# KiCad board motordriver.kicad_pcb (continued)
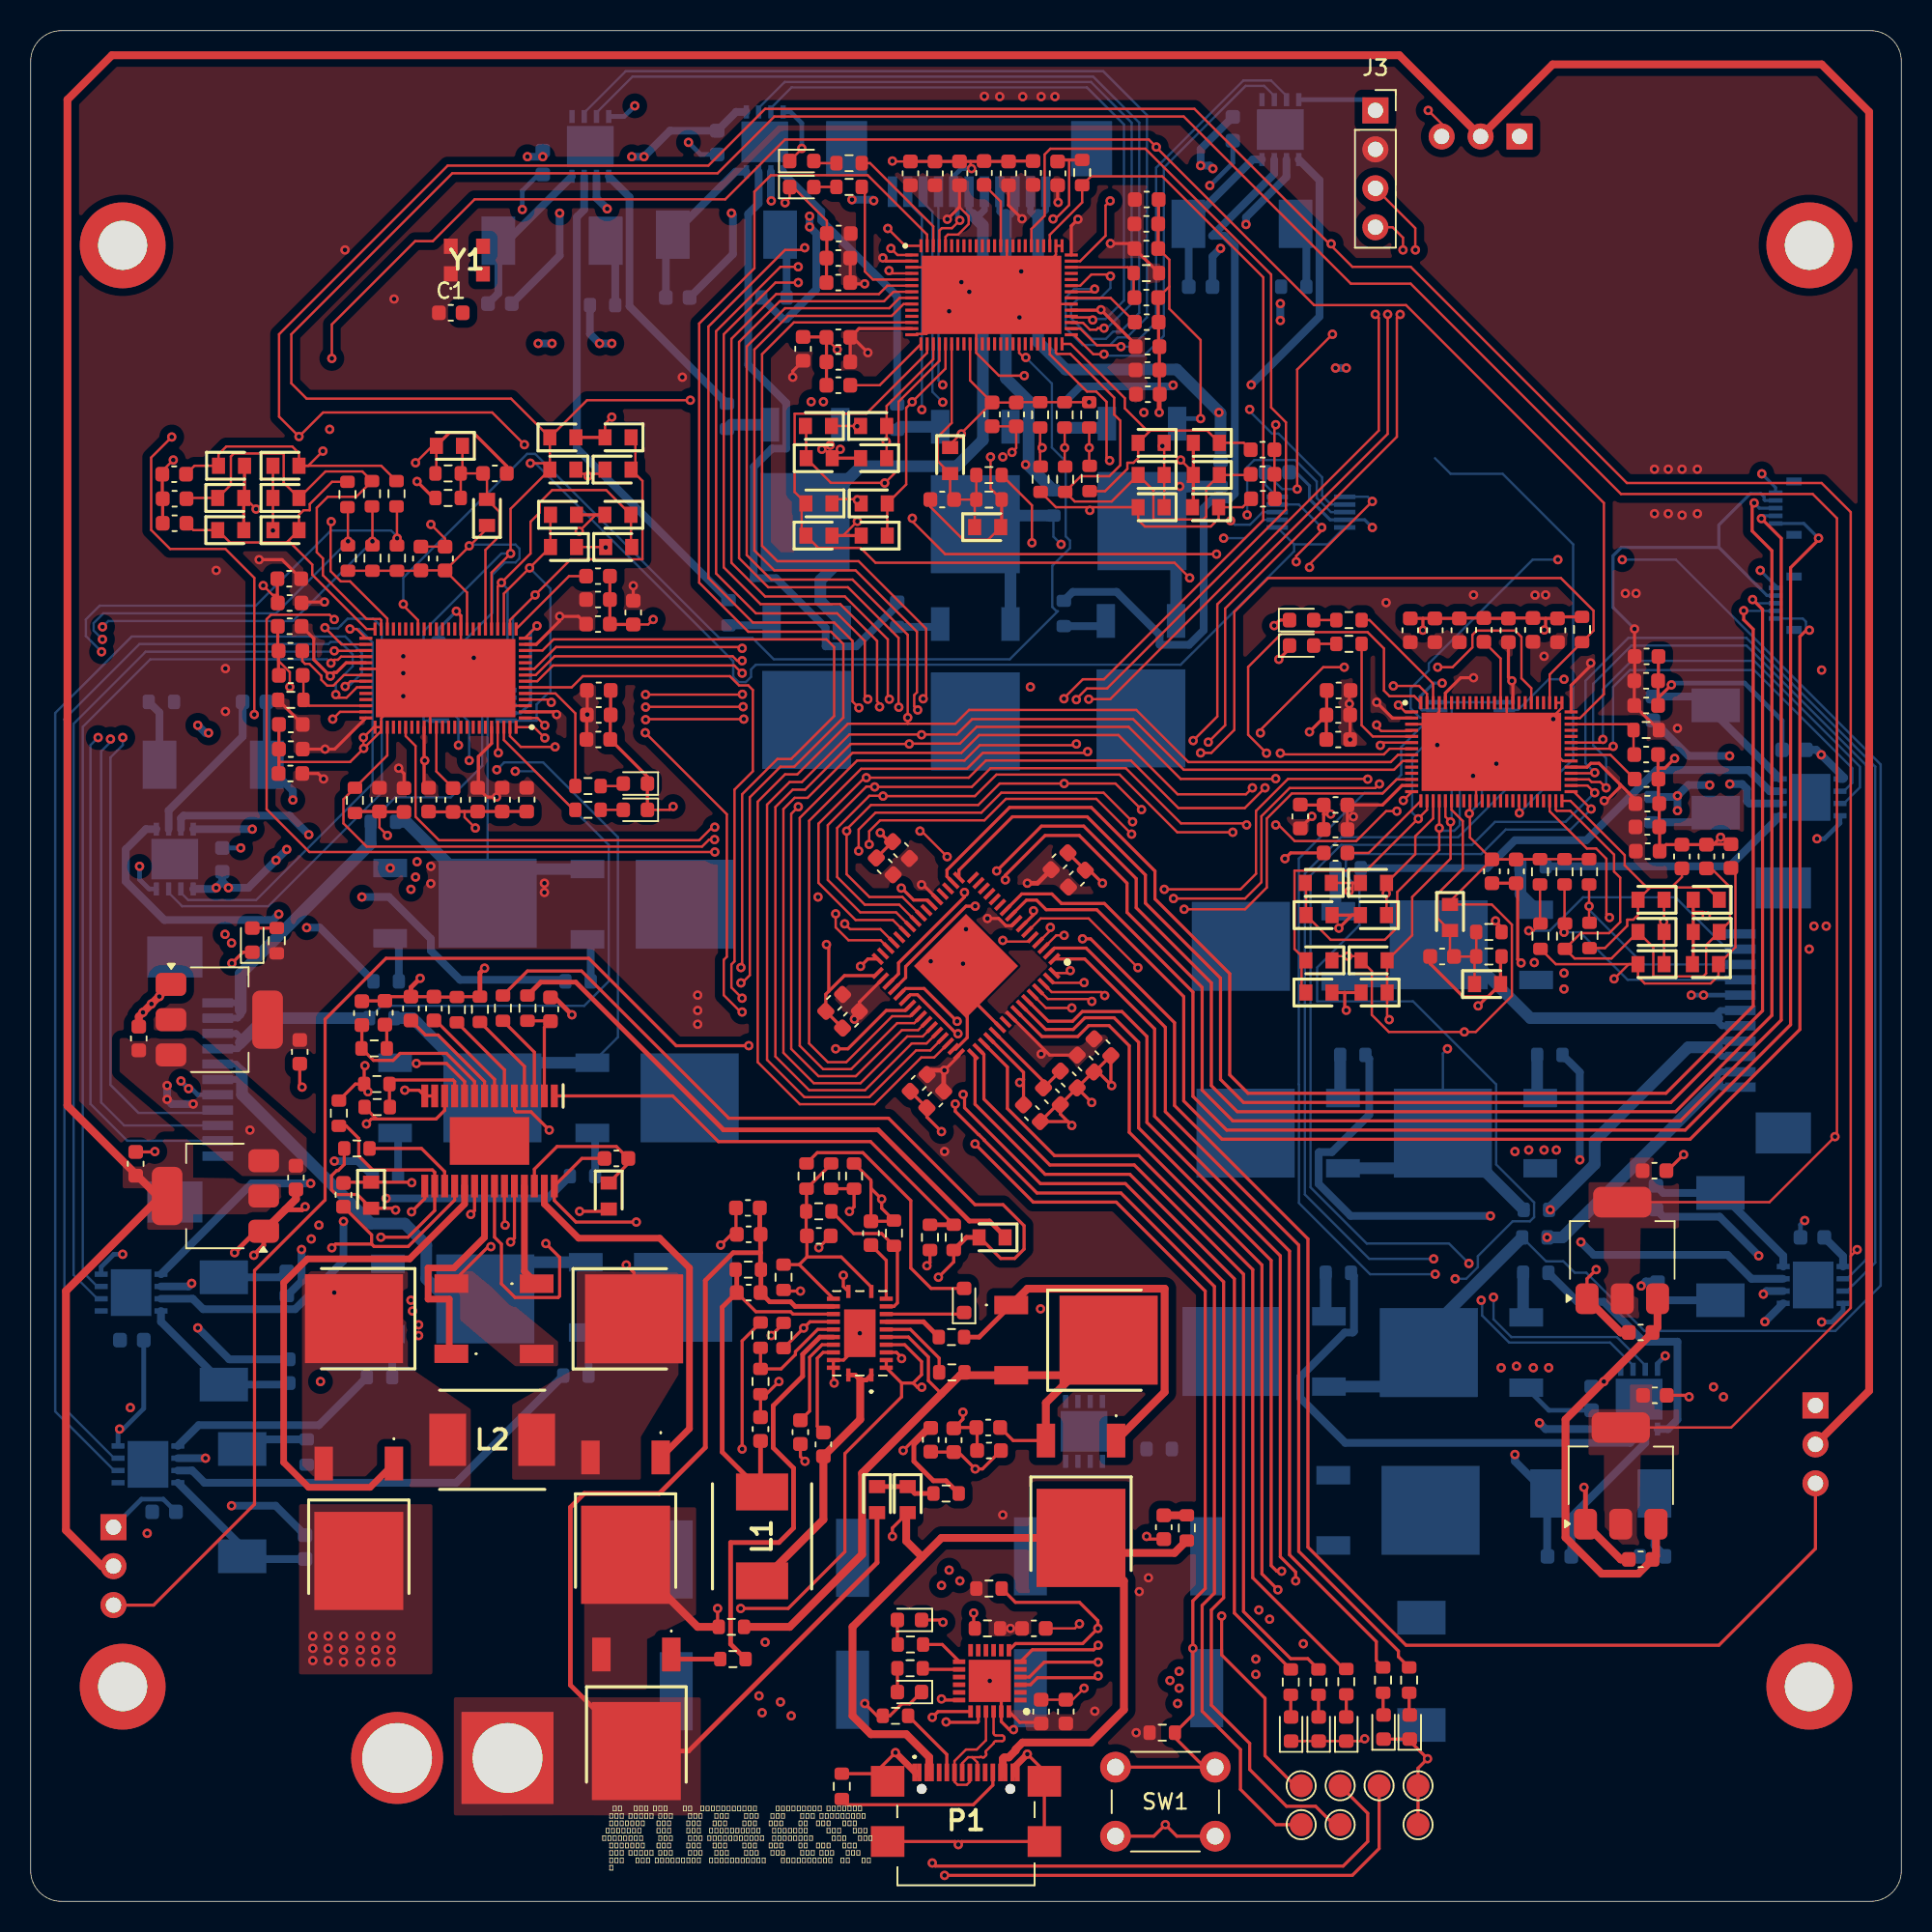
[diagram p0: board, top side]
## Routing (per net, layer and track width the routed paths; a pad name or vN(x,y) marks a point on that pad's centre or on a via; arc(x,y) is an arc through that point) (continued)
TMC_DB_MISO: length 134.4
  Top w0.152: U7.4 33.77,78.38 v1(33.95,78.19) ; v1(50.06,105.57) 48.57,105.57 45.2,102.2 45.2,87 47.6,84.6 52.8,84.6 55.2,82.2 55.2,78.27 55.36,78.1 v1(55.36,77.9) ; U5.4 56.16,106.17 v1(55.98,106.35) ; v1(87.78,76.72) 87.78,76.62 88.08,76.32 90.02,76.32 U8.4 ; v1(46.42,78.72) 46.4,78.7 v1(40.1,78.7) ; v1(78.4,69.72) 74.78,69.72 71.02,73.48 62.98,73.48 61.58,72.08 v1(55.59,72.08) 55.57,72.1 54.7,72.1 52.6,70 52.6,66.8 54.4,65 56.65,65 IC7.25
  In2.Cu w0.152: v1(50.06,105.57) 51.09,106.6 55.73,106.6 v1(55.98,106.35) ; v1(40.1,78.7) 39.59,78.19 33.96,78.19 v1(33.95,78.19) ; v1(78.4,69.72) 78.4,75.6 79.65,76.85 87.65,76.85 v1(87.78,76.72) ; v1(55.59,72.08) 55.63,72.12 55.63,73.48 55.3,73.8 55.3,77.84 v1(55.36,77.9) 55.36,79.54 54.7,80.2 47.9,80.2 v1(46.42,78.72)
TMC_DB_MOSI: length 136.4
  Top w0.152: v1(40.11,77.88) 40.12,77.9 46.45,77.9 v1(46.46,77.91) ; v1(56.1,107.8) 56.53,107.37 U5.1 ; U8.1 89.65,77.57 v1(89.2,78.02) ; v1(79.3,70.2) 79.2,70.3 75.02,70.3 71.42,73.9 62.6,73.9 61.38,72.68 v1(55.04,72.68) 55.03,72.7 54.5,72.7 51.99,70.19 51.99,66.61 54.1,64.5 56.44,64.5 IC7.26 ; v1(54.6,78.4) 54.4,78.6 54.4,82.2 52.6,84 47.3,84 44.7,86.6 44.7,102.4 48.9,106.6 v1(50.06,106.6) ; v1(81.2,70.2) 81.38,70.2 82.44,69.15 86.45,69.15 88.4,71.1 v1(89.1,71.1) ; v1(33.53,76.69) 33.05,77.17 U7.1
  In2.Cu w0.152: v1(33.53,76.69) 33.64,76.8 39.02,76.8 v1(40.11,77.88) ; v1(89.2,78.02) 88.8,77.62 88.8,71.4 v1(89.1,71.1) ; v1(50.06,106.6) 51.26,107.8 v1(56.1,107.8) ; v1(46.46,77.91) 47.92,79.37 53.63,79.37 v1(54.6,78.4) 54.6,73.86 54.74,73.86 55.08,73.52 55.08,72.72 v1(55.04,72.68) ; v1(79.3,70.2) v1(81.2,70.2)
TMC_DB_SCK: length 145.5
  Top w0.152: v1(40.11,77.06) 40.14,77.1 46.5,77.1 v1(46.51,77.1) ; v1(33.53,75.87) 32.83,76.58 U7.76 ; U5.76 57.03,107.97 v1(55.9,109.1) ; v1(80.5,72.62) 79.18,71.3 74.85,71.3 71.75,74.4 62.3,74.4 61.18,73.28 v1(54.5,73.28) 54.48,73.3 54.4,73.3 51.38,70.28 51.38,66.42 53.8,64 56.23,64 IC7.27 ; v1(80.6,74.88) 79.4,76.08 79.4,80.5 81.67,82.77 87.19,82.77 88.26,81.71 88.26,78.96 88.62,78.6 90.23,78.6 U8.76 ; v1(50.48,107.84) 50.34,107.7 49.2,107.7 44.2,102.7 44.2,86.3 47.1,83.4 52.4,83.4 53.6,82.2 53.6,78.25 v1(54.02,77.84)
  In2.Cu w0.152: v1(50.48,107.84) 51.74,109.1 v1(55.9,109.1) ; v1(54.5,73.28) 54,73.78 54,77.82 v1(54.02,77.84) 53.29,78.56 47.96,78.56 v1(46.51,77.1) ; v1(40.11,77.06) 39.04,76 33.66,76 v1(33.53,75.87) ; v1(80.6,74.88) 80.6,74.35 80.5,74.25 v1(80.5,72.62)
Net-(C11-Pad1): length 1.5
  Top w0.508: R13.1 C11.1
Net-(C32-Pad2): length 1.4
  Top w0.203: R37.1 23.22,57.05
Net-(D1-A): length 3.6
  Bottom w0.508: R1.2 38.12,107.67
Net-(D1-K): length 10.3
  Bottom w0.508: IC1.8 31.1,108.3 ; D1.1 30.5,104.88 C2.2
Net-(D2-A): length 3.7
  Bottom w0.508: R4.2 49.3,108.28
Net-(D2-K): length 10.1
  Bottom w0.508: IC2.8 45.97,112.8 D2.1 ; C4.2 41.43,108.25
Net-(D3-A): length 3.4
  Bottom w0.508: R7.2 83.2,108.7
Net-(D3-K): length 10.6
  Bottom w0.508: C6.2 75.53,109.38 ; D3.1 79.7,113.6 IC3.8
Net-(D4-K): length 3.9
  Top w0.305: D4.1 D5.1 57.65,26.6 R12.2
Net-(D6-A): length 16.8
  Top w0.203: D6.2 58.72,39.97 57.4,41.3 57.4,45.7 54.27,48.83 51.3,48.83 R16.2
Net-(D6-K): length 5
  Top w0.203: 60.78,38.3 IC5.9
Net-(D7-A): length 105.8
  Top w0.203: 57.56,33.8 56.8,33.8 ; 57.56,33.8 57.83,33.53 v1(58.11,33.53) ; 57.56,33.8 58.1,34.34 58.1,35.2 57,36.3 IC5.5 ; 56.8,33.8 IC5.2 IC5.3 ; 56.8,33.8 56.8,32.9 53.1,29.2 53.1,22.8 49.4,19.1 v1(46.31,19.1) ; R30.2 60.2,41.7 v1(59.2,40.7) ; 61.89,43.3 63.26,41.93 64.18,41.93 64.79,42.54 64.79,44.06 63.42,45.43 61.59,45.43 55.95,51.07 45.53,51.07 35.93,60.67 32.4,60.67 R33.2 ; v1(44.8,19.1) 44.8,17.97 ; C19.1 61.72,30.85 ; C17.2 60.25,30.9 ; v1(60.8,31.9) 60.8,31.45 C14.1
  Top w0.305: R30.2 61.03,43.3 D7.2
  Top w0.508: Q10.2 43.5,17.9 R21.1
  In1.Cu w0.203: v1(46.31,19.1) v1(44.8,19.1) ; v1(60.8,31.9) 59,31.9 58.11,32.79 v1(58.11,33.53) 58.1,33.54 58.1,39.6 v1(59.2,40.7)
Net-(D7-K): length 38.4
  Top w0.305: R28.2 33.27,59.95 35.55,59.95 45.19,50.31 55.28,50.31 61.22,44.37 62.53,44.37 63.55,43.35
Net-(D8-A): length 1.6
  Top w0.203: R29.1 D8.2
Net-(D23-A): length 1.5
  Top w0.152: R50.1 51.22,113.36 D23.2
Net-(D26-A): length 1.5
  Top w0.152: R52.1 51.09,111.81
Net-(D27-A): length 15.3
  Top w0.152: 59.97,91.68 D27.2 59.16,93.91 59.16,95.51 60.06,96.41 U5.20 ; D28.1 61.56,91.31 ; C65.2 R54.1 R53.2
Net-(D29-A): length 1.4
  Top w0.203: 89.9,13.6 89.9,12.19
Net-(D30-A): length 1.4
  Top w0.203: 88.2,13.6 88.2,12.19
Net-(D31-A): length 1.4
  Top w0.203: R57.1 82.18,12.04
Net-(D32-A): length 1.4
  Top w0.203: R58.1 83.99,12.03
Net-(D33-A): length 1.5
  Top w0.203: R59.1 D33.2
Net-(D34-A): length 1.6
  Top w0.203: D34.2 56.53,16.78
Net-(D35-A): length 1.5
  Top w0.203: R63.1 56.53,13.65
Net-(D48-A): length 1.5
  Top w0.152: R71.1 D48.2
Net-(D51-A): length 1.5
  Top w0.152: R73.1 38.48,72.73 D51.2
Net-(D52-A): length 15.3
  Top w0.152: R74.2 R75.1 C109.2 ; U7.20 29.66,88.13 30.56,89.03 30.56,90.63 D52.2 29.76,92.87 ; D53.1 28.16,93.23
Net-(D54-A): length 3.6
  Bottom w0.508: R76.2 14.42,30.12
Net-(D54-K): length 9.9
  Bottom w0.508: IC8.8 13.8,23.1 ; C111.2 13.97,22.32
Net-(D55-A): length 4.3
  Bottom w0.508: R79.2 16.28,40.7 D55.2
Net-(D55-K): length 10.6
  Bottom w0.508: 16.7,33.7 D55.1 8.5,37.8 IC9.8
Net-(D56-A): length 4.4
  Bottom w0.508: D56.2 8.4,77.53 R82.2
Net-(D56-K): length 14.4
  In2.Cu w0.508: v1(14.45,69.92) 15.2,69.92 v1(17.1,71.83)
  Bottom w0.508: 15.4,78.2 D56.1 17.1,72.42 v1(17.1,71.83) ; v1(14.45,69.92) IC10.8
Net-(D70-A): length 1.5
  Top w0.152: R96.1 D70.2
Net-(D73-A): length 1.5
  Top w0.152: D73.2 83.78,82.01 R98.1
Net-(D74-A): length 15.9
  Top w0.152: U8.20 92.66,71.19 93.4,70.45 93.4,67.35 91.76,65.71 91.76,64.11 D74.2 92.56,61.88 ; D75.1 94.16,61.51 ; R99.2 R100.1 C146.2
Net-(D76-A): length 3.6
  Bottom w0.508: R101.2 109.28,70.38
Net-(D76-K): length 9.5
  Bottom w0.508: IC13.8 109.9,77.4 ; C148.2 109.32,78.58
Net-(D77-A): length 4.3
  Bottom w0.508: R104.2 106.53,39.2 D77.2
Net-(D77-K): length 10.9
  Bottom w0.508: C150.2 106.48,46.2 D77.1 114.3,42.1 IC14.8
Net-(D78-A): length 4.4
  Bottom w0.508: D78.2 105.9,23.2 R107.2
Net-(D78-K): length 15.7
  In2.Cu w0.508: v1(96.8,29.14) 98.4,30.74 v1(98.4,31.2)
  Bottom w0.508: v1(98.4,31.2) 98.8,30.8 IC15.8 ; 98.9,22.53 D78.1 96.8,28.7 v1(96.8,29.14)
Net-(IC1-HO): length 31.9
  Bottom w0.508: IC1.7 36.1,110.33 35.62,109.85 35.62,94.75 45.51,84.86
Net-(IC1-HS): length 12.8
  In2.Cu w0.508: v1(37.6,110.38) 37.32,110.1 v1(34.5,110.1)
  Bottom w0.508: v1(37.6,110.38) 36.9,111.08 IC1.6 ; v1(34.5,110.1) 34.5,107.33 C2.1
Net-(IC1-LO): length 18
  Bottom w0.508: R3.2 39.05,104.03 39.05,111.15 IC1.5
Net-(IC2-HO): length 42.5
  Bottom w0.508: R5.1 56.51,84.52 53.84,81.85 51.85,81.85 51.85,83.05 48.6,86.3 47.16,86.3 47.16,93.56 48.35,94.75 49.27,94.75 49.27,97.73 46.8,100.2 46.8,110.05 47.47,110.73 IC2.7
Net-(IC2-HS): length 11.6
  In2.Cu w0.508: v1(48.3,110.9) 46.5,110.9 v1(45.7,110.1)
  Bottom w0.508: v1(48.3,110.9) 48.27,110.93 IC2.6 ; v1(45.7,110.1) 45.8,110 45.8,107.42 C4.1
Net-(IC2-LO): length 18.3
  Bottom w0.508: IC2.5 49.07,112.7 51.56,110.21 51.56,109.63 56.51,104.68 R6.2
Net-(IC3-HO): length 46.5
  Bottom w0.508: R8.1 67.97,85.4 70.83,85.4 73.63,82.6 73.63,81.95 75.55,81.95 76.5,82.9 76.5,90.87 77.05,91.42 78.15,91.42 78.53,91.8 78.53,107.94 77.85,108.62 77.05,108.62 81.1,112.67 IC3.7
Net-(IC3-HS): length 10.4
  In2.Cu w0.508: v1(77.6,107.8) 77.7,107.8 v1(79.26,109.36)
  Bottom w0.508: C6.1 77.07,107.28 v1(77.6,107.8) ; IC3.6 81.9,112.47 79.26,109.83 v1(79.26,109.36)
Net-(IC3-LO): length 29.8
  In2.Cu w0.508: v1(74.51,98.88) 74.52,98.9 v1(79.6,98.9)
  Bottom w0.508: IC3.5 84.05,112.25 84.05,103.35 v1(79.6,98.9) ; R9.2 68.45,98.8 74.42,98.8 v1(74.51,98.88)
Net-(IC4-IN+1): length 24
  In2.Cu w0.152: v1(79.34,90.42) 77.48,92.28 v1(74.94,92.28)
  Bottom w0.152: IC4.3 84.8,90.6 83.87,91.53 83.87,92.59 82.47,94 79.8,94 79.34,93.54 v1(79.34,90.42)
  Bottom w0.762: Q1.3 74.7,87.8 ; R10.2 74.74,92.28
Net-(IC4-IN+2): length 25.8
  In2.Cu w0.152: v1(77.8,88.9) 77.5,89.2 67.9,89.2 v1(67.2,88.5)
  Bottom w0.152: IC4.7 80.4,90.1 79.2,88.9 v1(77.8,88.9) ; v1(67.2,88.5) 66.7,89 R11.2
  Bottom w0.762: R11.2 62.17,90.38 ; Q3.3 63.9,87.53
Net-(IC5-ACDRV): length 3.8
  Top w0.305: 59.22,36.8 58.22,37.8 IC5.8
Net-(IC5-ACP): length 49
  Top w0.203: Q7.3 64.07,30.05 C17.1 ; IC5.6 57.25,36.8 58.55,35.5 58.55,33.95 59.4,33.1
  Top w0.508: R21.2 49.5,17.9 54.22,22.62 54.22,27.92 60.61,34.31 Q8.3 68.01,34.31 ; Q8.2 66.21,32.51 Q7.3
Net-(IC5-ACSET): length 7.5
  Top w0.203: v1(50.2,39.8) 49.18,39.8 ; IC5.17 50.82,37.8 v1(50.41,37.39) R25.2
  In1.Cu w0.203: v1(50.2,39.8) 50.41,39.59 v1(50.41,37.39)
Net-(IC5-AVCC): length 15.8
  Top w0.203: 58.38,30.88 v1(56.9,29.4) ; v1(56.8,35.4) 56.8,35.47 56.47,35.8 IC5.4
  Top w0.305: C12.1 57.6,29.78 57.6,28.7 58.87,27.43 59.7,27.43 R12.1
  In1.Cu w0.203: v1(56.8,35.4) 56.9,35.3 v1(56.9,29.4)
Net-(IC5-BTST): length 6.2
  Top w0.203: IC5.21 51.68,35.8 51.3,35.42 51.3,30.97 C21.1
Net-(IC5-CMSRC): length 5.2
  Top w0.203: IC5.7 57.38,37.3 59.25,35.42 R20.1
Net-(IC5-ISET): length 8.6
  Top w0.203: v1(53.4,44.99) 53.7,45.29 R23.1 52.2,46.47 ; v1(53,40.83) 53,40.1 53.32,39.78
  In1.Cu w0.203: v1(53,40.83) 53.4,41.23 v1(53.4,44.99)
Net-(IC5-REGN): length 6.2
  Top w0.203: C23.1 50.8,31.97 50.8,35.49 51.61,36.3 IC5.20
Net-(IC5-SRP): length 26
  Top w0.203: C25.1 47.3,38.45 49.56,38.45 49.71,38.3 IC5.16
  Top w0.305: 46.05,41.12 C25.1 45.1,38.75 45.1,29.3 L1.2 ; C24.2 47.6,26.8
Net-(IC5-SW_1): length 17.5
  Top w0.305: IC5.24 53.78,34.33 54.1,34 54.5,34 IC5.1
  Top w0.508: L1.1 51.7,24.9 C21.2 54.1,31.42 54.1,34
Net-(IC5-TS): length 9.3
  Top w0.203: 52.22,45 53.67,43.55 55.5,43.55 56.3,42.75 ; IC5.10 56.3,38.8 56.53,39.03 56.53,42.52
Net-(IC5-TTC): length 3.9
  Top w0.203: IC5.11 55.8,41.8 C15.1
Net-(IC5-~{BATDRV}): length 27.6
  Top w0.305: R26.2 45.65,16.78 45.65,23.4 48.8,23.4 49.75,24.35 49.75,28.25 48.43,29.58 48.43,32.33 50.35,34.25 50.35,35.68 51.47,36.8 IC5.19
Net-(IC6-CS): length 26.1
  Top w0.203: Q13.3 29.84,42.69 v1(30.01,42.69) ; v1(22.84,43.31) 24.61,43.31 26.35,45.05 IC6.16 26.35,47.55 26.2,47.7 22.31,47.7 21.4,48.61 21.4,49.75 20.58,50.58 R39.2
  In1.Cu w0.203: v1(22.84,43.31) 23.03,43.5 29.21,43.5 v1(30.01,42.69)
Net-(IC6-EN/UVLO): length 31.1
  Top w0.203: IC6.1 41.87,52.53 44.85,49.55 54.78,49.55 R30.1
  Top w0.305: R30.1 R31.2
Net-(IC6-FB): length 6.4
  Top w0.203: IC6.11 27.65,53.47 27.55,53.57 23.67,53.57 ; R35.2 23.4,51.83
Net-(IC6-MODE): length 6
  Top w0.203: R32.2 32.2,54.45 IC6.4
Net-(IC6-VIN): length 6.5
  Top w0.203: IC6.2 33.5,57 C30.1 ; R28.1 33.88,57.42
Net-(IC6-VISNS): length 5.7
  Top w0.203: R33.1 32.85,55.38 IC6.3
Net-(IC7-PA30): length 68.7
  Top w0.203: U6.3 65.2,14.13 65.66,14.59 69.51,14.59 v1(69.62,14.7) ; IC7.57 65.95,56.4 68.29,56.4 69,57.11 70.33,57.11 71.65,55.8 71.65,50.15 80.3,41.5 80.3,21.36 v1(81.34,20.32)
  In2.Cu w0.203: v1(69.62,14.7) 69.63,14.71 72.85,14.71 73.75,15.61 75.15,15.61 75.16,15.6 77.5,15.6 79.49,17.59 79.49,19.25 80.56,20.32 v1(81.34,20.32)
Net-(IC7-PA31): length 76.2
  Top w0.203: IC7.58 66.2,56.86 67.99,56.86 68.75,57.63 70.66,57.63 72.26,56.03 72.26,50.44 80.9,41.8 80.9,21.9 81.27,21.53 v1(81.58,21.53) ; R60.1 64.22,19.5 68.4,19.5 69.6,18.3 v1(69.6,17.8) 68.61,16.81 64.23,16.81 U6.7
  In2.Cu w0.203: v1(81.58,21.53) 80.13,21.53 78.3,19.7 78.3,18.3 78,18 69.8,18 v1(69.6,17.8)
Net-(IC7-PB30): length 69.9
  Top w0.203: v1(82.5,20.9) 82.5,21.47 81.5,22.47 81.5,42.1 72.8,50.8 72.8,56.4 71.17,58.03 68.58,58.03 67.95,57.4 66.37,57.4 IC7.59 ; v1(69.62,16.7) 69.33,16.41 65.33,16.41 U6.6
  In2.Cu w0.203: v1(82.5,20.9) 82.47,20.93 80.43,20.93 78.9,19.4 78.9,17.9 78.41,17.41 73.45,17.41 73.04,17 69.92,17 v1(69.62,16.7)
Net-(IC7-VDDCORE): length 6.1
  Top w0.203: 66.06,53.47 IC7.53 ; C80.2 C79.2
Net-(IC8-HO): length 28.4
  Bottom w0.508: R77.1 27.75,27.3 11.33,27.3 10.53,28.1 IC8.7
Net-(IC8-HS): length 11.2
  In2.Cu w0.508: v1(13.1,25.8) 13.1,27.2 v1(11.4,28.9)
  Bottom w0.508: v1(13.1,25.8) 15.97,25.8 C111.1 ; v1(11.4,28.9) IC8.6
Net-(IC8-LO): length 14.2
  Bottom w0.508: R78.2 18.79,31.05 10.95,31.05 IC8.5
Net-(IC9-HO): length 32
  In2.Cu w0.508: v1(23.18,45.85) 21.68,44.34 v1(20.4,44.34)
  Bottom w0.508: v1(20.4,44.34) 20.4,41.77 17.25,38.62 11.25,38.62 10.57,39.3 IC9.7 ; R80.1 33.71,45.85 v1(23.18,45.85)
Net-(IC9-HS): length 11.9
  In2.Cu w0.508: v1(10.9,37.4) 10.9,39.9 v1(10.5,40.3)
  Bottom w0.508: v1(10.5,40.3) 10.3,40.1 IC9.6 ; C113.1 12.95,35.35 v1(10.9,37.4)
Net-(IC9-LO): length 17.3
  In2.Cu w0.508: v1(19.81,48.27) 18.35,46.82 v1(18.26,46.82)
  Bottom w0.508: v1(19.81,48.27) 21.34,48.27 R81.2 ; IC9.5 14.42,46.82 v1(18.26,46.82)
Net-(IC10-HO): length 31
  In2.Cu w0.508: v1(21.6,65.5) 18.14,68.96 v1(18.14,69.56)
  Bottom w0.508: 34.78,60.1 28,60.1 26.1,62 26.1,62.77 23.37,65.5 v1(21.6,65.5) ; v1(18.14,69.56) 16.9,70.8 9.97,70.8 9.8,70.63 IC10.7
Net-(IC10-HS): length 10.3
  Bottom w0.508: C115.1 13.83,75.97 9,71.14 IC10.6
Net-(IC10-LO): length 23.8
  In2.Cu w0.508: v1(16.18,64.38) 17.06,63.5 v1(18,63.5)
  Bottom w0.508: v1(16.18,64.38) 15.8,64 8.72,64 6.2,66.52 6.2,68.61 7.52,69.92 IC10.5 ; R84.2 18.86,63.5 v1(18,63.5)
Net-(IC11-IN+1): length 26.4
  Bottom w0.152: IC11.3 30.1,78 29.8,77.7 Q15.2
  Bottom w0.762: Q14.3 32.02,67.32 ; Q15.2 24.5,70.4 R85.2
Net-(IC11-IN+2): length 44.6
  In2.Cu w0.152: v1(27.9,75.4) 28.8,75.4 v1(30.4,73.8)
  Bottom w0.152: IC11.7 27.5,77.5 27.9,77.1 v1(27.9,75.4) ; Q16.3 38.3,56.36 38.3,69.4 33.42,74.28 30.88,74.28 v1(30.4,73.8)
  Bottom w0.762: Q17.2 24.91,57.6 R86.2 ; Q16.3 32.41,54.69
Net-(IC13-HO): length 30.6
  Bottom w0.508: R102.1 94.98,67.38 96.8,69.2 101.46,69.2 106.04,73.78 112.03,73.78 113.41,72.4 IC13.7
Net-(IC13-HS): length 12.1
  In2.Cu w0.508: v1(110.8,74.7) 110.8,72.88 v1(110.81,72.87)
  Bottom w0.508: v1(110.8,74.7) 108.12,74.7 C148.1 ; v1(110.81,72.87) 111.62,72.87 111.93,72.55 111.93,71.75 112.08,71.6 IC13.6
Net-(IC13-LO): length 16.7
  Bottom w0.508: IC13.5 110.8,67.5 R103.2
Net-(IC14-HO): length 43.6
  In2.Cu w0.508: v1(95.2,44.7) 97.36,42.54 100.64,42.54 v1(101.1,43)
  Bottom w0.508: R105.1 87.3,54.95 87.3,51.3 84.86,48.86 84.03,48.86 84,48.83 84,46.79 86.09,44.7 v1(95.2,44.7) ; IC14.7 112.23,40.6 110.67,42.16 101.94,42.16 v1(101.1,43)
Net-(IC14-HS): length 12
  In2.Cu w0.508: v1(112.7,42.1) 112.7,39.9 v1(113,39.6)
  Bottom w0.508: v1(112.7,42.1) 110.15,44.65 106.48,44.65 C150.1 ; v1(113,39.6) 113.2,39.8 IC14.6
Net-(IC14-LO): length 26.4
  In2.Cu w0.508: v1(101.03,48.36) 103.6,45.79 103.6,44.09 109.89,37.8 v1(113.1,37.8)
  Bottom w0.508: v1(101.03,48.36) 101.03,54.07 R106.2 ; v1(113.1,37.8) IC14.5
Net-(IC15-HO): length 33.7
  Bottom w0.508: IC15.7 104.5,30.09 104.31,29.9 85.73,29.9 82.8,32.83 82.8,34.2 85.7,37.1 86.22,37.1 86.3,37.17 86.3,40.8 R108.1
Net-(IC15-HS): length 10.3
  Bottom w0.508: C152.1 100.47,25.07 105.3,29.89 IC15.6
Net-(IC15-LO): length 16.9
  Bottom w0.508: R109.2 100.88,39.1 102.6,39.1 105.2,36.5 107.4,36.5 107.4,31.42 106.78,30.8 IC15.5
Net-(IC16-IN+1): length 117.2
  In2.Cu w0.152: v1(99.6,87.5) v1(103.8,87.5)
  Bottom w0.152: R110.2 98.83,41.74 99.96,41.74 100.7,41 101.45,41 105.25,37.2 117.7,37.2 120.65,40.15 120.65,74.14 107.3,87.5 v1(103.8,87.5) ; v1(99.6,87.5) 97.96,87.5 91.18,80.73 91.18,80.28 90,79.1 90,77.8 90.6,77.2 IC16.3
  Bottom w0.762: 91.19,37.21 R110.2 ; Q21.3 88.97,33.57
Net-(IC16-IN+2): length 48.9
  In1.Cu w0.152: v1(92.4,55.6) 92.4,64.4 98.4,70.4 98.4,78.1 v1(100,79.7)
  Bottom w0.152: Q24.2 92.1,55.3 v1(92.4,55.6) ; v1(100,79.7) 99,79.7 97,77.7 IC16.7
  Bottom w0.762: 92.38,50.1 R111.2 ; Q23.3 89.81,47.81
Net-(P1-PadA5): length 4.7
  Top w0.203: R40.1 59.75,9.57 P1.A5
Net-(P1-PadB5): length 11.4
  Top w0.203: R41.2 53.28,6.3 61.47,6.3 62.75,7.58 P1.B5
Net-(Q1-G): length 2.4
  Bottom w0.508: R8.2 69.78,83.17
Net-(Q2-G): length 2.9
  Bottom w0.762: Q2.1 69.93,96.1 R9.1
Net-(Q3-G): length 2.6
  Bottom w0.508: R5.2 59.13,83.11
Net-(Q4-G): length 2.9
  Bottom w0.762: Q4.1 56.71,96.16 R6.1
Net-(Q5-G): length 2.6
  Bottom w0.508: R2.2 48.13,83.22
Net-(Q6-G): length 2.9
  Bottom w0.762: R3.1 45.69,96.3 Q6.1
Net-(Q7-G): length 25.6
  Top w0.305: Q8.1 61.86,36.8 60.88,36.8
  Top w0.508: Q8.1 65.01,39.95 73.95,39.95 73.95,33.21 Q7.1
Net-(Q9-G): length 2.9
  Top w0.305: R26.1 42.08,15.8
Net-(Q14-G): length 2.5
  Bottom w0.508: R83.2 36.53,62.53
Net-(Q15-G): length 3
  Bottom w0.508: Q15.1 24.01,62.25 R84.1
Net-(Q16-G): length 2.6
  Bottom w0.508: R80.2 36.81,49.92
Net-(Q17-G): length 2.6
  Bottom w0.508: R81.1 23.97,49.91
Net-(Q18-G): length 2.6
  Bottom w0.508: R77.2 36.38,36.92
Net-(Q19-G): length 2.5
  Bottom w0.508: R78.1 23.58,36.72
Net-(Q20-G): length 2.4
  In2.Cu w0.508: v1(65.86,38.64) 64.39,40.11 64.09,40.11
Net-(Q21-G): length 2.6
  Bottom w0.762: R108.2 84.46,38.36
Net-(Q22-G): length 2.7
  Bottom w0.762: R109.1 97.34,38.28
Net-(Q23-G): length 2.6
  Bottom w0.762: R105.2 85.4,52.58
Net-(Q24-G): length 2.6
  Bottom w0.762: R106.1 98.25,52.59
Net-(Q25-G): length 2.6
  Bottom w0.762: R102.2 85.09,64.75
Net-(Q26-G): length 3.3
  Bottom w0.762: R103.1 97.16,65.69 Q26.1
Net-(U5-GPIO2_/_ADC_VM_MCD): length 7.6
  Top w0.152: U5.74 58.87,109.24 54.74,113.36 R50.2
Net-(U5-GPIO7_/_AENC_WY_MCD_/_DBGSPI_TRG): length 8.6
  Top w0.152: 54.4,111.61 54.4,106.3 54.93,105.77 U5.5
Net-(U5-NRST): length 5.8
  Top w0.152: U5.50 71.56,106.57 R51.1 71.94,104.64
Net-(U5-VCCCORE1): length 5.7
  Top w0.152: U5.15 55.37,98.88 C61.2
Net-(U5-VCCCORE2): length 4.8
  Top w0.152: U5.45 70.43,104.57 C58.2
Net-(U5-VCCCORE3): length 4.4
  Top w0.152: C45.2 63.26,110.85 U5.63
Net-(U6-PA16): length 2.8
  Top w0.203: R62.2 59.45,16.75 60.55,15.65
Net-(U6-PA17): length 2.3
  Top w0.203: U6.14 58.25,15.13
Net-(U7-GPIO2_/_ADC_VM_MCD): length 7.3
  Top w0.152: 35.41,71.19 30.86,75.74 U7.74
Net-(U7-GPIO7_/_AENC_WY_MCD_/_DBGSPI_TRG): length 8.5
  Top w0.152: 35.52,72.74 35.52,77.48 34.22,78.78 U7.5
Net-(U7-NRST): length 5.8
  Top w0.152: U7.50 18.17,77.97 R72.1 17.79,79.91
Net-(U7-VCCCORE1): length 6
  Top w0.152: C105.2 35.11,86.42 U7.15
Net-(U7-VCCCORE2): length 5.9
  Top w0.152: C102.2 17.71,80.89 17.89,80.71 18.18,80.71 18.96,79.92 18.96,79.66 19.34,79.28 19.74,79.28 20.43,79.97 U7.45
Net-(U7-VCCCORE3): length 4.4
  Top w0.152: U7.63 26.46,73.69 C89.2
Net-(U8-GPIO2_/_ADC_VM_MCD): length 7.6
  Top w0.152: U8.74 91.47,79.41 87.32,83.56 R96.2
Net-(U8-GPIO7_/_AENC_WY_MCD_/_DBGSPI_TRG): length 8.9
  Top w0.152: 86.8,82.01 86.8,76.7 87.53,75.97 U8.5
Net-(U8-NRST): length 5.8
  Top w0.152: U8.50 104.16,76.77 R97.1 104.53,74.84
Net-(U8-VCCCORE1): length 6.2
  Top w0.152: U8.15 87.27,68.38 C142.2
Net-(U8-VCCCORE2): length 4.8
  Top w0.152: U8.45 103.03,74.77 C139.2
Net-(U8-VCCCORE3): length 4.4
  Top w0.152: C126.2 95.87,81.06 U8.63

## Copper pours and planes (outline as drawn; the poured copper is in the pictures)
+2.5V on Top: 102.6,38 104.9,38 105,43.9 107.5,43.9 107.5,46.9 105.9,46.9 105.9,48.5 104.3,48.5 104.3,46.9 101.6,46.9 101.6,43.9 102.6,43.9
+3.3V on Top: 120,120 2,120 2,2 120,2
+5V on Top: 16.5,44.8 16.5,47.1 10.6,47.2 10.6,49.7 7.6,49.7 7.6,48.1 6,48.1 6,46.5 7.6,46.5 7.6,43.8 10.6,43.8 10.6,44.8
+5VA on Top: 102.6,23.2 104.9,23.2 105,29.1 107.5,29.1 107.5,32.1 105.9,32.1 105.9,33.7 104.3,33.7 104.3,32.1 101.6,32.1 101.6,29.1 102.6,29.1
+12V on Top: 17.5,14.8 26.2,14.8 26.2,25.9 17.5,25.9
+12V on Top: 18,47.3 18,49.8 10.6,56.3 5.8,56.3 5.8,54.1 13.8,47.3
+12V on Bottom: 2,120 120,120 120,2 2,2
+12V on In2.Cu: 117.6,62.8 112.7,62.7 105.5,70.7 105.5,72.4 116.1,81 117.6,81 117.6,74.2 111.9,69.6 117.6,64.5
+12V on In2.Cu: 6.1,32.7 9.8,32.7 9.8,23 6.6,23 6.6,31 6.1,31.3
+12V on In2.Cu: 14.1,62.1 14.1,65.2 19.2,69.1 19.2,77 9.2,77 9.2,74.3 10.5,72 10.5,62.1
+12V on In2.Cu: 49.8,108.6 51.6,108.6 53,110.2 56.1,110.2 56.1,112.6 49.5,115.7 31.1,115.7 31.1,112.3 48.9,112.3
+12V on In2.Cu: 32.7,103.7 32.7,99.6 38.4,99.6 38.4,103.7
+12V on In2.Cu: 104.1,40.7 104.1,37.3 101.2,34 102.8,32.4 111.3,32.5 111.3,33.8 105.6,40.7
+12V on In2.Cu: 87,101.2 87,98.7 82.1,98.7 79.9,102.1 79.9,109.8 77.2,112.3 75.5,112.3 75.5,114.7 78.6,114.7 83.9,109.8 83.9,101.2
+12V on In2.Cu: 20,33.1 16.3,33.1 16.3,42.7 7.6,51.6 7.6,54.2 14.2,54.2 17.7,51.5 22.6,51.5 22.6,49.3 19.8,49.3 17,47.2 17,45.6 18,44.6 19.5,44.6 19.5,35.4 20,34.9
GND on Bottom: 61.6,93.5 64.7,93.5 64.7,97.5 61.6,97.5
GND on Bottom: 21.1,42.4 24.3,36.1 28.9,36.1 25.1,42.4
GND on Bottom: 95.4,35.4 95.4,32.3 99.4,32.3 99.4,35.4
GND on Bottom: 71.7,97.8 71.7,94.7 75.7,94.7 75.7,97.8
GND on Bottom: 21.8,68.7 21.8,65.6 25.8,65.6 25.8,68.7
GND on Bottom: 96.3,49.7 96.3,46.6 100.3,46.6 100.3,49.7
GND on Bottom: 50.4,94.1 53.5,94.1 53.5,98.1 50.4,98.1
GND on Bottom: 96.7,62.1 96.7,59 100.7,59 100.7,62.1
GND on Bottom: 21.4,55.6 21.4,52.5 25.4,52.5 25.4,55.6
GND on In1.Cu, In2.Cu: 2,120 120,120 120,2 2,2
/IO/BATTVIN on Top: 43.7,5.6 35.37,5.61 27.6,5.6 27.6,13.31 34.27,13.31 43.7,13.3
/voltageregulators/SW1 on Top: 35.6,34.8 31.4,32.4 31.4,27.5 39.8,27.5 39.8,30.3 42.7,35.1 42.7,41 35.6,41.1
/voltageregulators/SW2 on Top: 17.7,27 28.7,27 28.7,32.1 24.6,34.9 24.6,41.1 17.7,41.1
Net-(D7-A) on Top: 40.2,13.7 36.1,13.7 36.1,25.7 43.4,25.7 43.4,18.7 40.2,17.1
Net-(IC6-CS) on Top: 26.1,39.5 31.6,34.9 34.4,34.9 34.4,36.5 28.8,41.1 26.1,41.1

## Text on the board
F.Silkscreen: ▄█   ▄█▄ ███    █▄  ▀█████████▄     ▄████████ ███▄▄▄▄ / ███ ▄███▀ ███    ███   ███    ███   ███    ███ ███▀▀▀██▄ / ███▐██▀   ███    ███   ███    ███   ███    █▀  ███   ███ / ▄█████▀    ███    ███  ▄███▄▄▄██▀   ▄███▄▄▄     ███   ███ / ▀▀█████▄    ███    ███ ▀▀███▀▀▀██▄  ▀▀███▀▀▀     ███   ███ / ███▐██▄   ███    ███   ███    ██▄   ███    █▄  ███   ███ / ███ ▀███▄ ███    ███   ███    ███   ███    ███ ███   ███ / ███   ▀█▀ ████████▀  ▄█████████▀    ██████████  ▀█   █▀ / ▀
